# Altium PCB PCB4.PcbDoc
Units mil, origin at the board's own origin, x right, y up, seen from the top; angles counter-clockwise.
Board outline 4000 x 4000 mil, 2 copper layers (Top Layer, Bottom Layer), stack 21 mil thick; 115 components, 162 nets, 550 pads, 48 vias.
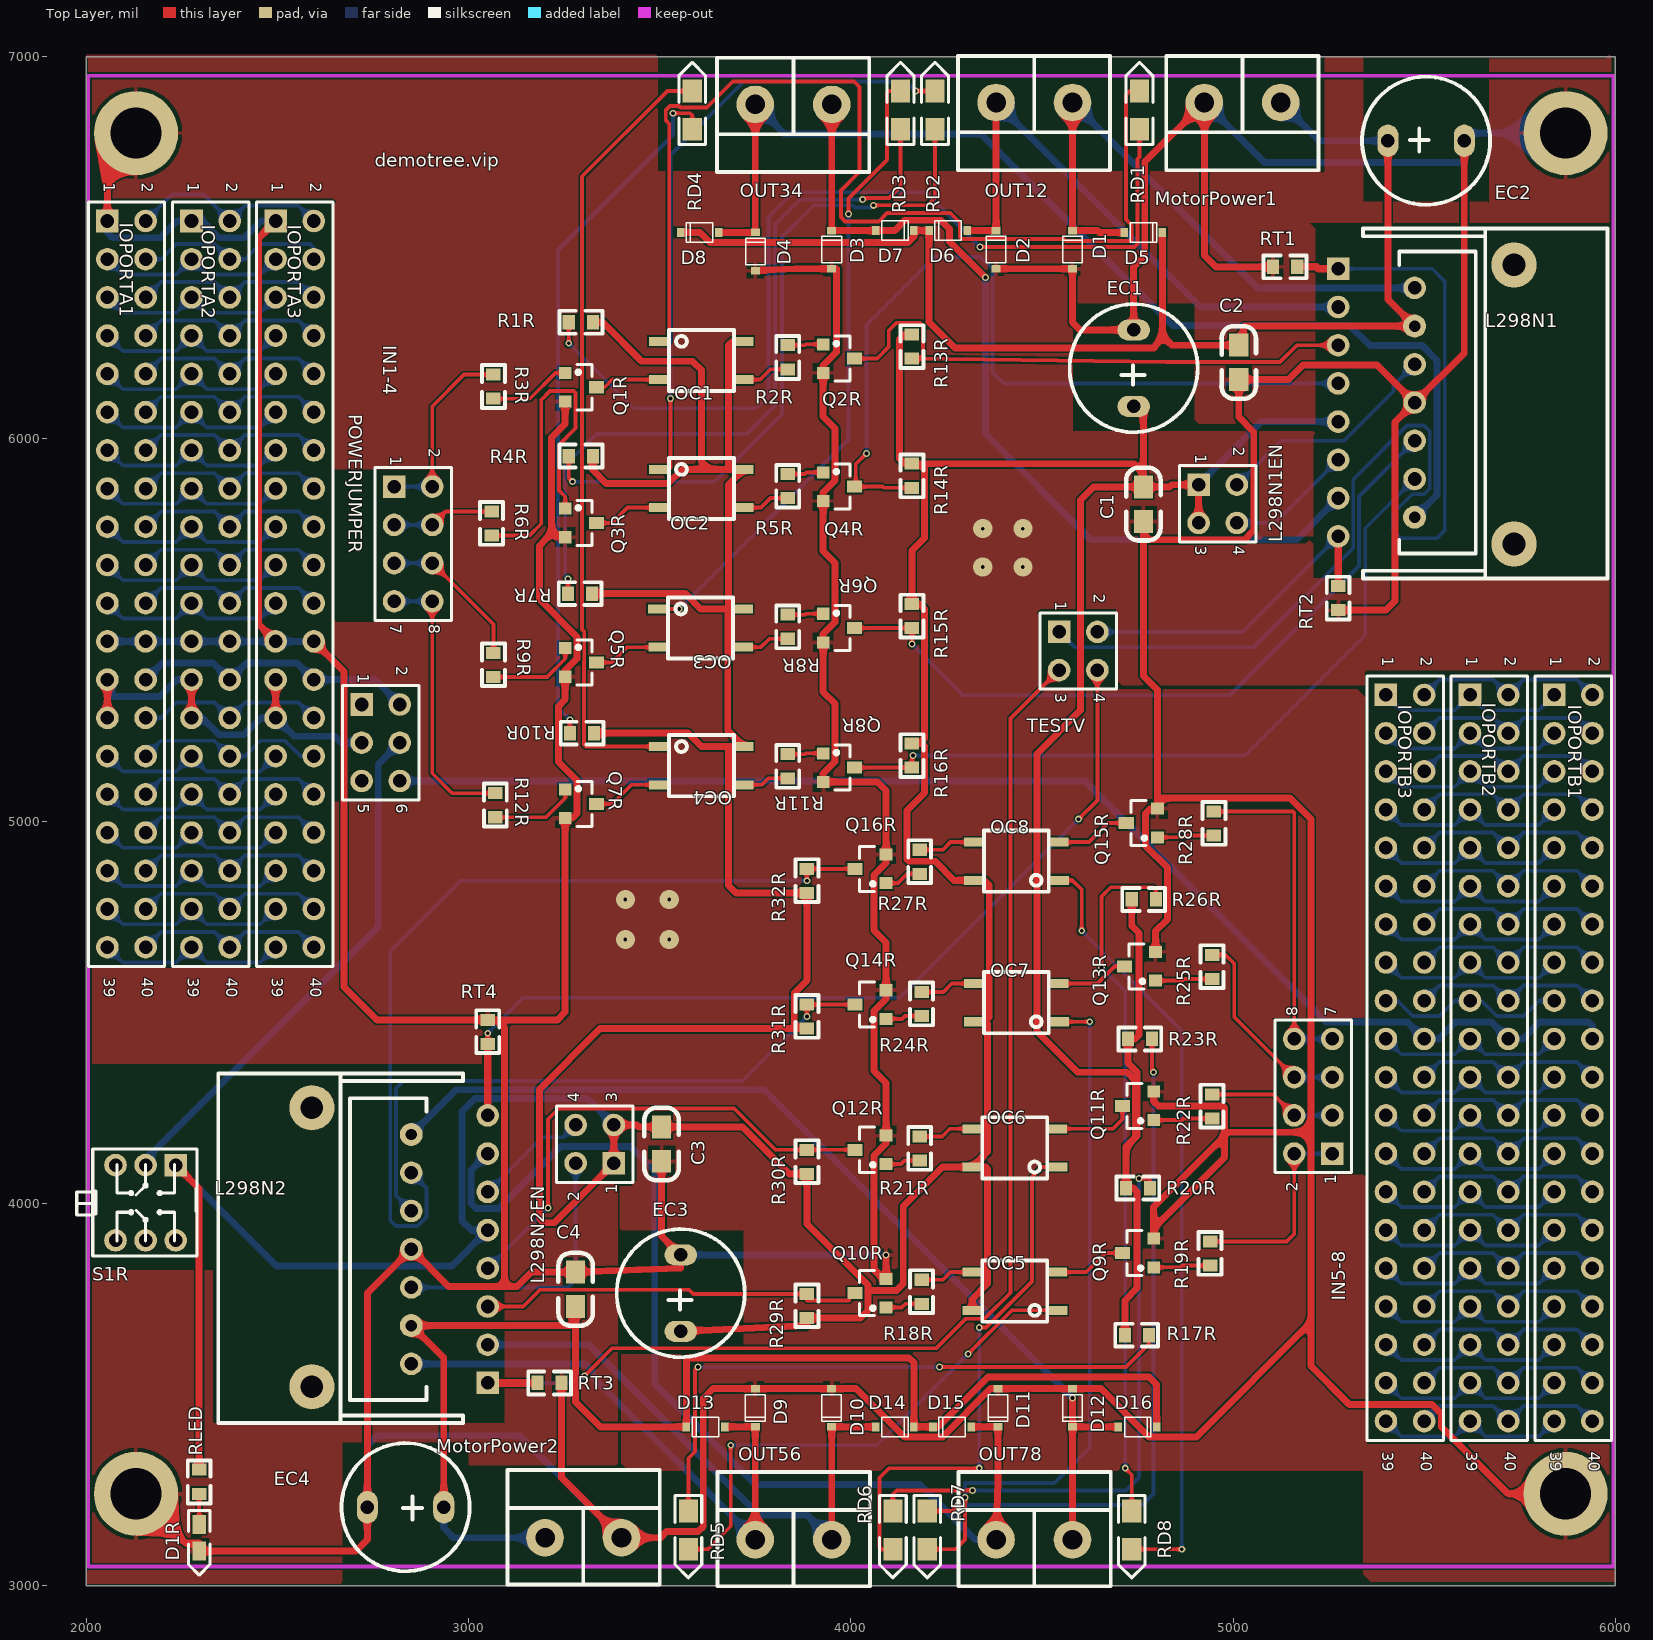
[diagram p0: Top Layer view]
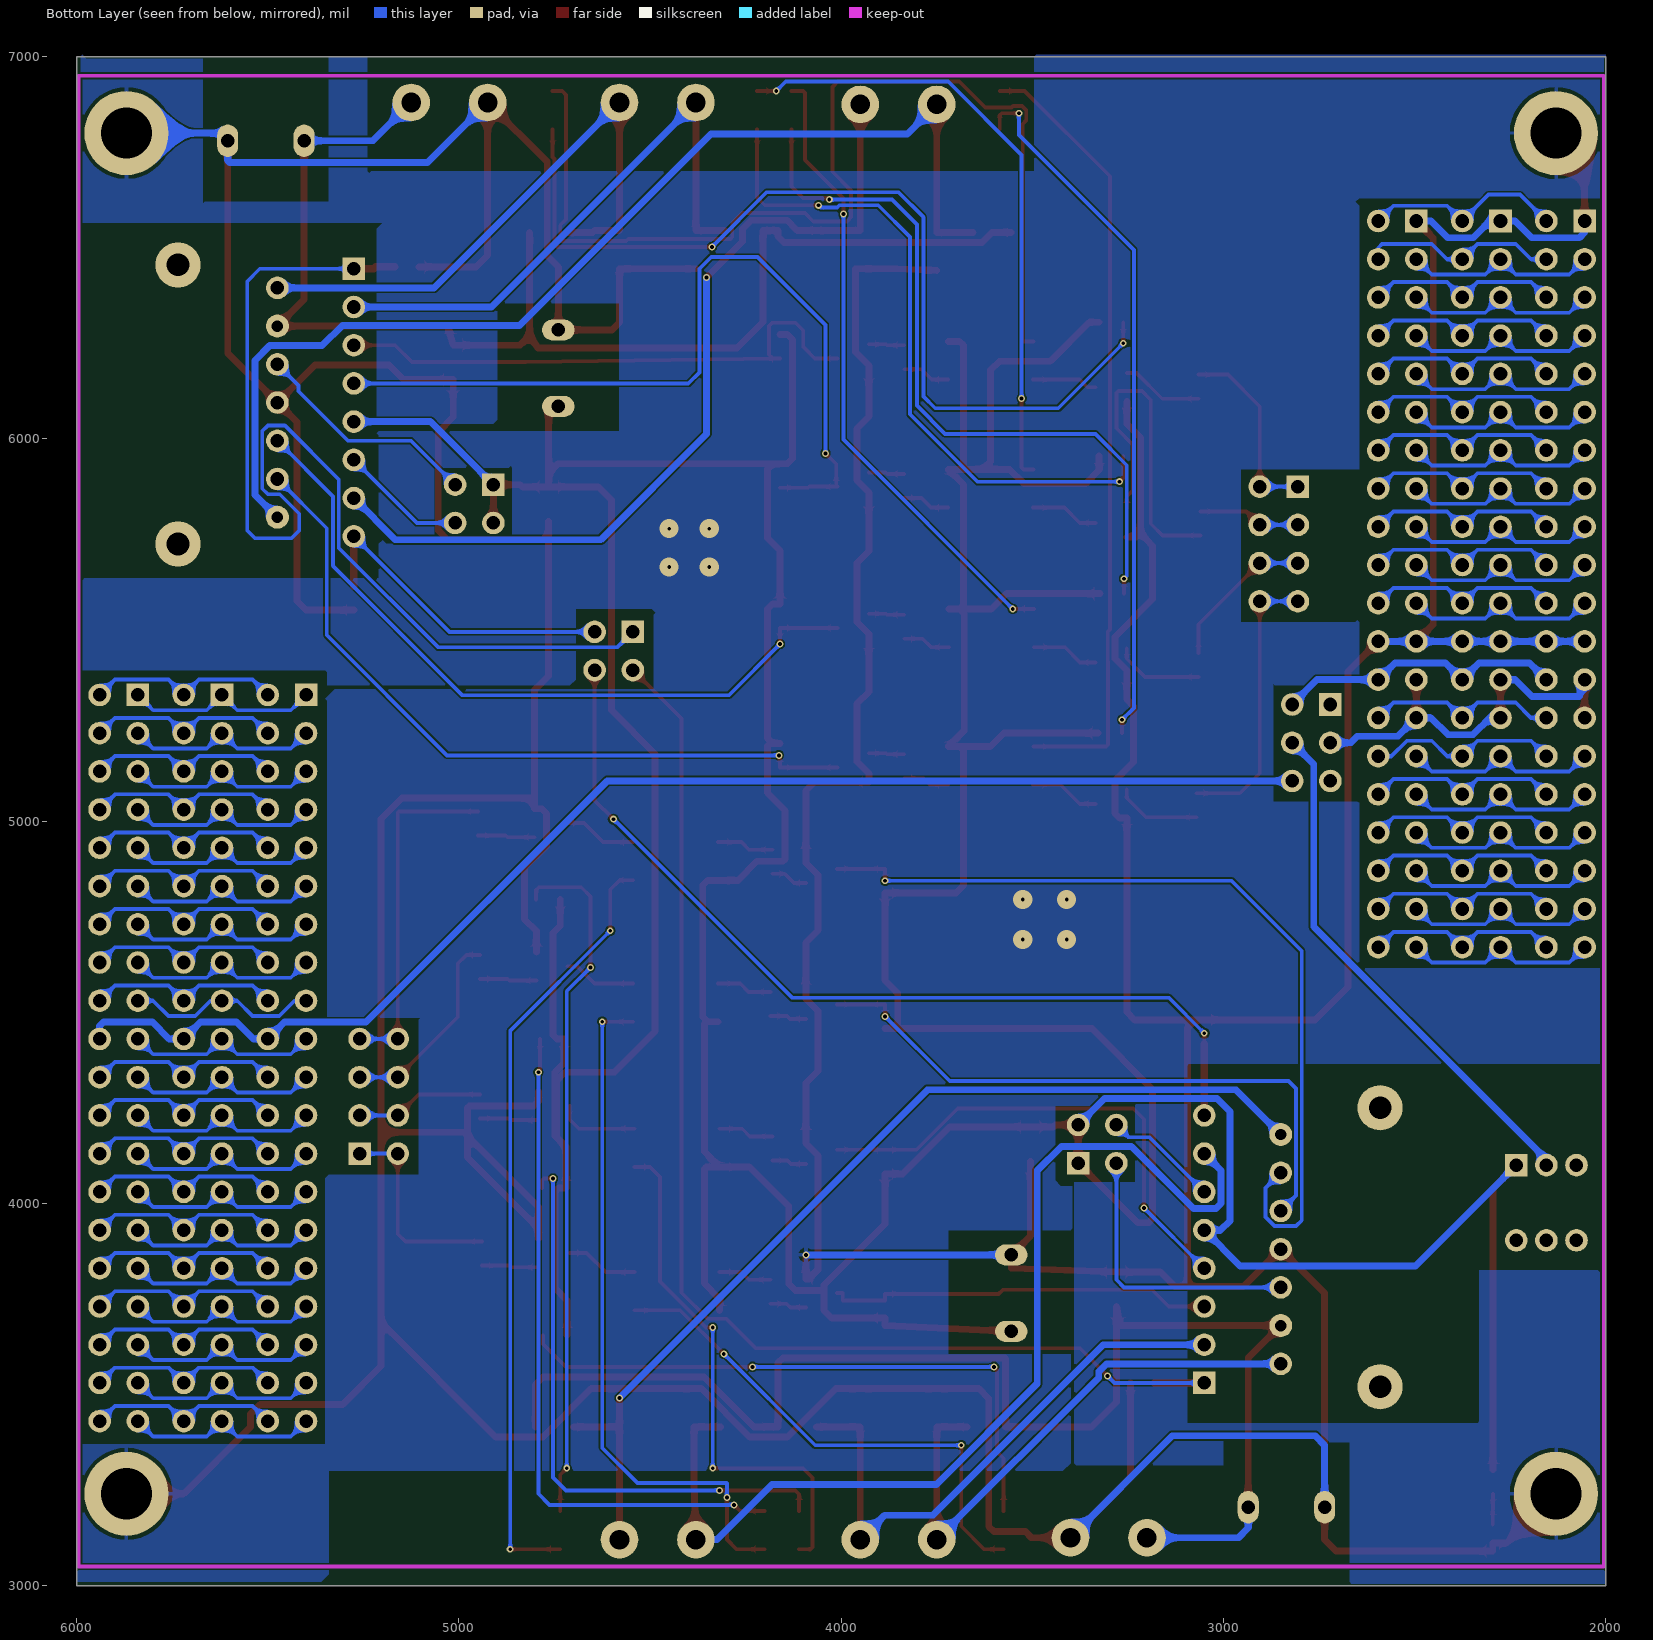
[diagram p1: Bottom Layer view, seen from below]
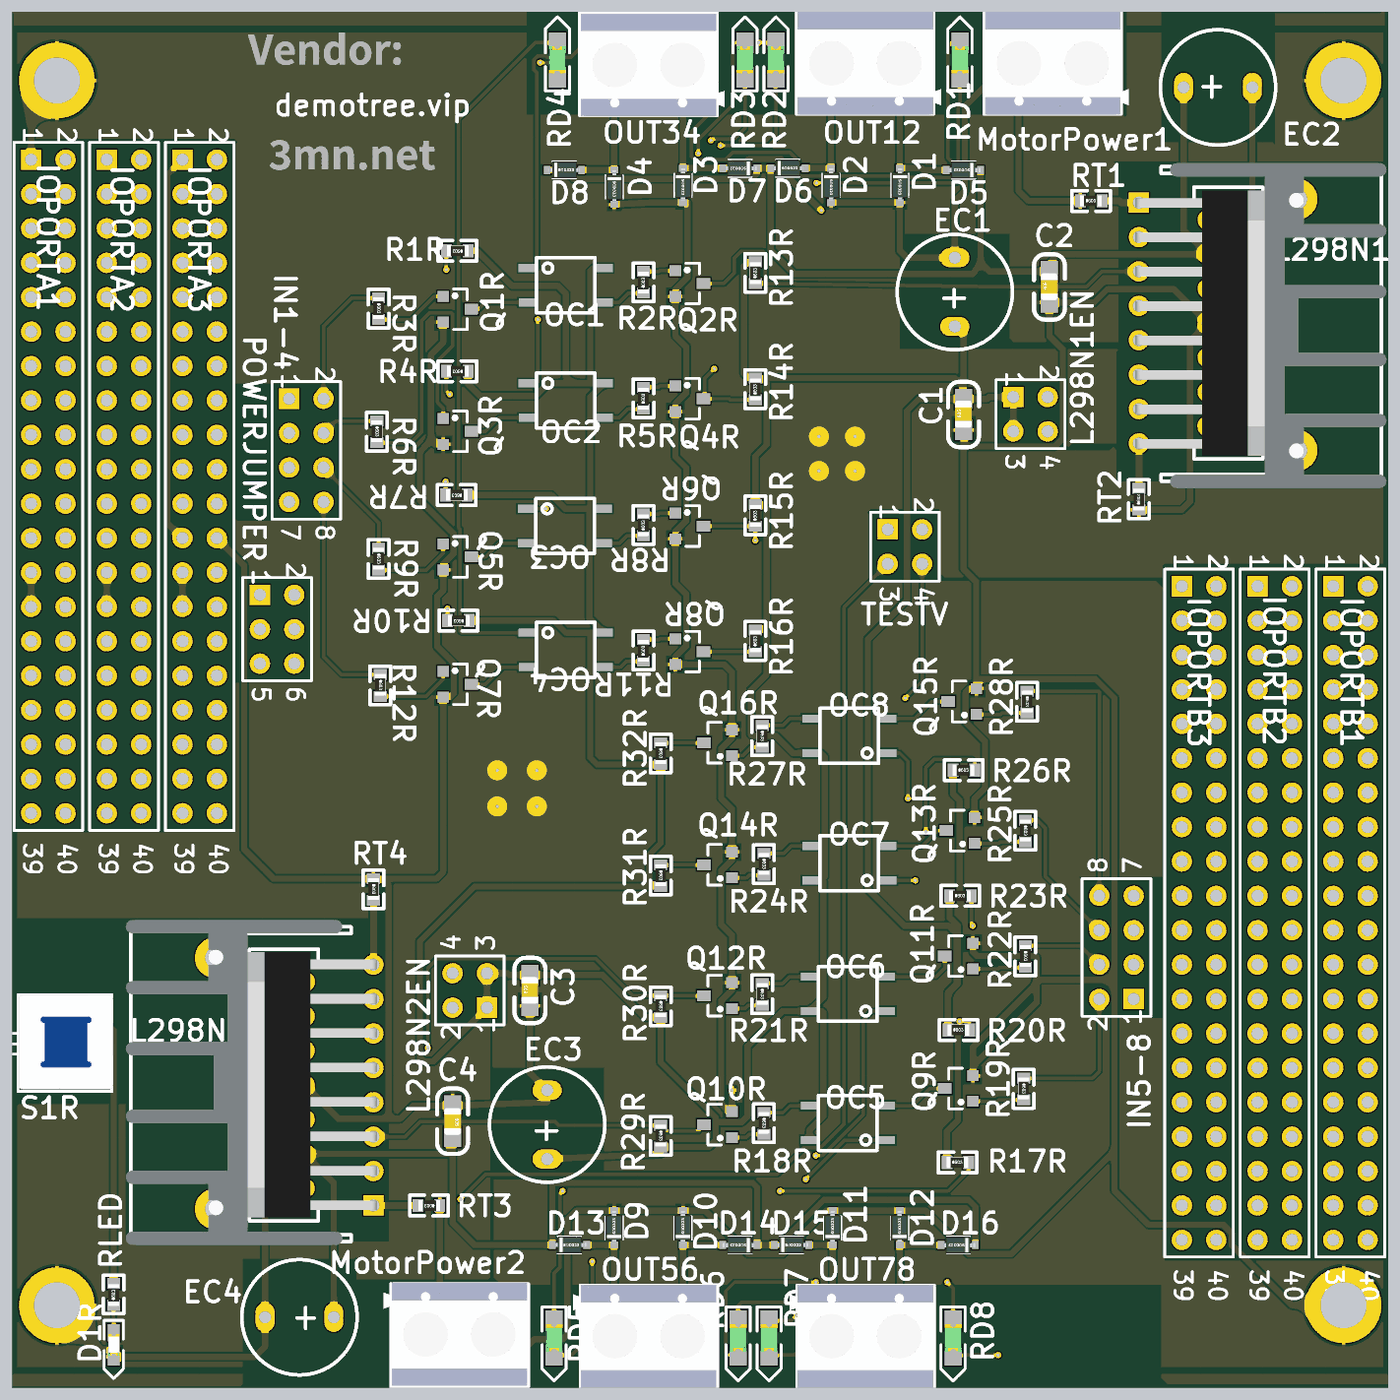
[diagram p2: 3D render of the assembled board from above, using the file's embedded part models]

## Layer stack, top to bottom
Top Solder: solder mask 0.4, Solder Resist, Dk 3.5
Top Layer: signal copper 1.4
Dielectric 2: prepreg 2.8, PP-006, Dk 4.1
Dielectric 1: dielectric 12.6, FR-4, Dk 4.8
Dielectric 3: prepreg 2.8, PP-006, Dk 4.1
Bottom Layer: signal copper 1.4
Bottom Solder: solder mask 0.4, Solder Resist, Dk 3.5

## Board outline
2000,3000 6000,3000 6000,7000 2000,7000

## Design rules (kind name [scope] priority, off if disabled: settings)
Clearance [All] p1: gap=5 ignorepadtopadclearanceinfootprint=TRUE
HoleSize [All] p1: absolutevalues=TRUE maxlimit=500 minlimit=10 maxpercent=80.000 minpercent=20.000
MinimumSolderMaskSliver [All] p1: minsoldermaskwidth=0
PolygonConnect [All] p1: connectstyle=Relief reliefconductorwidth=10 reliefentries=4 polygonreliefangle="90 Angle" airgapwidth=10
RoutingCorners [All] p1: cornerstyle=45-Degree minsetback=180 maxsetback=500
RoutingVias [All] p1: holewidth=10 width=18 viastyle="Through Hole" minholewidth=10 minwidth=18 maxholewidth=180 maxwidth=300
SMDNeckDown [All] p1: percent=100.000
ShortCircuit K1 [All] p1: allowed=FALSE
ShortCircuit [All] p2: allowed=FALSE
SilkToSilkClearance [All] p1: silktosilkclearance=0
SilkToSolderMaskClearance [IsPad] p1: minsilkscreentomaskgap=0 clearancetoexposedcopper=TRUE
SolderMaskExpansion [All] p1: expansion=4
Width CONN [(InNet('OUT1') OR InNet('OUT2') OR InNet('OUT3') OR InNet('OUT4') OR InNet('OUT5') OR InNet('OUT6') OR InNet('OUT7') OR InNet('OUT8'))] p1: maxlimit=20 minlimit=8 preferedwidth=18
Width GND [InNet('GND')] p2: maxlimit=20 minlimit=5 preferedwidth=18
Width VM [InNet('VM1') OR InNet('VM2') OR InNet('VRL')  OR InNet('VRLIN')] p3: maxlimit=20 minlimit=10 preferedwidth=18
Width VUSB_2 [InNet('VUSB_2')] p4: maxlimit=20 minlimit=8 preferedwidth=18
Width VNUC5 [InNet('VNUC5')] p5: maxlimit=20 minlimit=8 preferedwidth=18
Width +5 [InNet('+5')] p6: maxlimit=20 minlimit=8 preferedwidth=18
Width [All] p7: maxlimit=20 minlimit=5 preferedwidth=10
24 further rules are at their usual default settings.

## Components (designator, comment, footprint, x,y, rotation, side; value= is the part's Value field where it differs from the comment)
C1 "104" 0805C 4765,5785 r90 top
C2 "104" 0805C 5014.6,6155.71 r90 top
C3 "104" 0805C 3504.6,4110.71 r90 top
C4 "104" 0805C 3280.4,3819.29 r270 top
D1 "1N4148" SOD-323 4580,6445 r90 top
D1R "RED0603" LED-0603W 2295,3155 r270 top
D2 "1N4148" SOD-323 4380,6445 r90 top
D3 "1N4148" SOD-323 3950,6445 r90 top
D4 "1N4148" SOD-323 3750,6440 r90 top
D5 "1N4148" SOD-323 4715,6540 r0 top
D6 "1N4148" SOD-323 4305,6545 r180 top
D7 "1N4148" SOD-323 4065,6545 r0 top
D8 "1N4148" SOD-323 3655,6540 r180 top
D9 "1N4148" SOD-323 3750,3515 r270 top
D10 "1N4148" SOD-323 3950,3515 r270 top
D11 "1N4148" SOD-323 4385,3515 r270 top
D12 "1N4148" SOD-323 4580,3515 r270 top
D13 "1N4148" SOD-323 3670,3415 r180 top
D14 "1N4148" SOD-323 4065,3415 r0 top
D15 "1N4148" SOD-323 4315,3415 r180 top
D16 "1N4148" SOD-323 4700,3415 r0 top
EC1 "220uF 固态 35V" DIP-EC8X12 4740,6085 r90 top
EC2 "220uF 固态 35V" DIP-EC8X12 5405,6780 r0 top
EC3 "220uF 固态 35V" DIP-EC8X12 3555,3665 r90 top
EC4 "220uF 固态 35V" DIP-EC8X12 2935,3205 r180 top
IN1-4 "Header 4X2" HDR2X4 2805,5875 r270 top
IN5-8 "Header 4X2" HDR2X4 5260,4130 r90 top
IOPORTA1 "Header 20X2" HDR2X20 2055,6570 r270 top
IOPORTA2 "Header 20X2" HDR2X20 2275,6570 r270 top
IOPORTA3 "Header 20X2" HDR2X20 2495,6570 r270 top
IOPORTB1 "Header 20X2" HDR2X20 5840,5330 r270 top
IOPORTB2 "Header 20X2" HDR2X20 5620,5330 r270 top
IOPORTB3 "Header 20X2" HDR2X20 5400,5330 r270 top
L298N1 "L298N" L298N散热片 5735,5725 r180 top
L298N1EN "Header 2X2" HDR2X2 4910,5880 r270 top
L298N2 "L298N" L298N散热片 2590,4250 r0 top
L298N2EN "Header 2X2" HDR2X2 3380,4105 r90 top
MotorPower1 "MotorPower" KF301-2P 5125,6880 r180 top
MotorPower2 "MotorPower" KF301-2P 3200,3125 r0 top
OC1 "EL357N" SMD_EL357N 3496.99,6255 r0 top
OC2 "EL357N" SMD_EL357N 3496.99,5920 r0 top
OC3 "EL357N" SMD_EL357N 3494.99,5555 r0 top
OC4 "EL357N" SMD_EL357N 3496.99,5195 r0 top
OC5 "EL357N" SMD_EL357N 4541.01,3720 r180 top
OC6 "EL357N" SMD_EL357N 4541.01,4095 r180 top
OC7 "EL357N" SMD_EL357N 4545.01,4475 r180 top
OC8 "EL357N" SMD_EL357N 4545.01,4845 r180 top
OUT12 "OUT12" KF301-2P 4580,6880 r180 top
OUT34 "OUT34" KF301-2P 3950,6875 r180 top
OUT56 "OUT56" KF301-2P 3750,3120 r0 top
OUT78 "OUT78" KF301-2P 4380,3120 r0 top
POWERJUMPER "Header 3X2" HDR2X3 2720,5305 r270 top
Q1R "S8050" SOT23 3295,6135 r0 top
Q2R "S8050" SOT23 3970,6210 r0 top
Q3R "S8050" SOT23 3295,5780 r0 top
Q4R "S8050" SOT23 3970,5875 r0 top
Q5R "S8050" SOT23 3295,5415 r0 top
Q6R "S8050" SOT23 3970,5505 r0 top
Q7R "S8050" SOT23 3295,5045 r0 top
Q8R "S8050" SOT23 3970,5140 r0 top
Q9R "S8050" SOT23 4750,3870 r180 top
Q10R "S8050" SOT23 4050,3765 r180 top
Q11R "S8050" SOT23 4750,4255 r180 top
Q12R "S8050" SOT23 4050,4140 r180 top
Q13R "S8050" SOT23 4755,4620 r180 top
Q14R "S8050" SOT23 4050,4520 r180 top
Q15R "S8050" SOT23 4760,4995 r180 top
Q16R "S8050" SOT23 4050,4875 r180 top
R1R "100R" 0603R 3325,6305 r180 top
R2R "1k" 0603R 3835,6182.01 r90 top
R3R "1k" 0603R 3065,6167.99 r270 top
R4R "100R" 0603R 3325,5955 r180 top
R5R "1k" 0603R 3835,5845 r90 top
R6R "1k" 0603R 3060,5810 r270 top
R7R "100R" 0603R 3322.99,5595 r180 top
R8R "1k" 0603R 3835,5477.01 r90 top
R9R "1k" 0603R 3065,5440 r270 top
R10R "100R" 0603R 3327.99,5230 r180 top
R11R "1k" 0603R 3835,5112.01 r90 top
R12R "1k" 0603R 3070,5072.99 r270 top
R13R "1k" 0603R 4160,6210 r90 top
R14R "1k" 0603R 4160,5872.01 r90 top
R15R "1k" 0603R 4160,5505 r90 top
R16R "1k" 0603R 4160,5140 r90 top
R17R "100R" 0603R 4717.01,3655 r0 top
R18R "1k" 0603R 4185,3800 r270 top
R19R "1k" 0603R 4940,3900 r270 top
R20R "100R" 0603R 4720,4040 r0 top
R21R "1k" 0603R 4180,4175 r270 top
R22R "1k" 0603R 4945,4285 r270 top
R23R "100R" 0603R 4725,4430 r0 top
R24R "1k" 0603R 4185,4552.99 r270 top
R25R "1k" 0603R 4945,4650 r270 top
R26R "100R" 0603R 4735,4795 r0 top
R27R "1k" 0603R 4180,4925 r270 top
R28R "1k" 0603R 4950,5025 r270 top
R29R "1k" 0603R 3885,3762.99 r270 top
R30R "1k" 0603R 3885,4140 r270 top
R31R "1k" 0603R 3885,4520 r270 top
R32R "1k" 0603R 3885,4875 r270 top
RD1 "GREEN0805" LED-0805G 4755,6810 r90 top
RD2 "GREEN0805" LED-0805G 4220,6810 r90 top
RD3 "GREEN0805" LED-0805G 4130,6810 r90 top
RD4 "GREEN0805" LED-0805G 3585,6810 r90 top
RD5 "GREEN0805" LED-0805G 3575,3195 r270 top
RD6 "GREEN0805" LED-0805G 4110,3195 r270 top
RD7 "GREEN0805" LED-0805G 4200,3195 r270 top
RD8 "GREEN0805" LED-0805G 4735,3195 r270 top
RLED "4.7k" 0603R 2295,3240 r90 top
RT1 "0R" 0603R 5105,6450 r0 top
RT2 "0R" 0603R 5275,5552.01 r90 top
RT3 "0R" 0603R 3242.99,3530 r180 top
RT4 "0R" 0603R 3050,4480 r270 top
S1R "POWERSW" "KFT DIP-7X7" 2233.74,4100 r270 top
TESTV "Header 2X2" HDR2X2 4545,5495 r270 top

## Footprints (in the part's own frame and the unit in brackets; to place one, negate y for a bottom-side part, rotate by r counter-clockwise, add the part's x,y. Pads: shape width x height; smd on the part's side, far side on the other; paste and mask are expansions set on the pad)
0603R [mm]
  rect 0.8x0.965 smd: 1(0,0) 2(1.6,0)
  silkscreen extent -0.64,-0.76 2.21,0.76, body extent -0.04,-0.41 1.56,0.41, height 0.45
0805C [mil]
  rect 60x50 smd: 1(-0.71,-0.4) 2(89.29,-0.4)
  silkscreen extent -51,-45 139,45, body extent 6,-25 84,25, height 31
DIP-EC8X12 [mil]
  oval 55x85 hole 35.43: 1(0,0) 2(200,0)
  silkscreen extent -68,-168 268,167, body extent -61,-161 261,161, height 567
HDR2X2 [mm] "Connector; Header; 2x2 Position"
  rect 1.5x1.5 hole 0.9: 1(0,0)
  round 1.5 hole 0.9: 2(0,2.54) 3(2.54,0) 4(2.54,2.54)
  silkscreen extent -1.27,-1.27 3.81,3.81
HDR2X3 [mm] "Connector; Header; 3x2 Position"
  rect 1.5x1.5 hole 0.9: 1(0,0)
  round 1.5 hole 0.9: 2(0,2.54) 3(2.54,0) 4(2.54,2.54) 5(5.08,0) 6(5.08,2.54)
  silkscreen extent -1.27,-1.27 6.35,3.81
HDR2X4 [mm] "Connector; Header; 4x2 Position"
  rect 1.5x1.5 hole 0.9: 1(0,0)
  round 1.5 hole 0.9: 2(0,2.54) 3(2.54,0) 4(2.54,2.54) 5(5.08,0) 6(5.08,2.54) 7(7.62,0) 8(7.62,2.54)
  silkscreen extent -1.27,-1.27 8.89,3.81
HDR2X20 [mm] "Connector; Header; 20x2 Position"
  rect 1.5x1.5 hole 0.9: 1(0,0)
  round 1.5 hole 0.9: 2(0,2.54) 3(2.54,0) 4(2.54,2.54) 5(5.08,0) 6(5.08,2.54) 7(7.62,0) 8(7.62,2.54) 9(10.16,0) 10(10.16,2.54) 11(12.7,0) 12(12.7,2.54) 13(15.24,0) 14(15.24,2.54) 15(17.78,0) 16(17.78,2.54) 17(20.32,0) 18(20.32,2.54) 19(22.86,0) 20(22.86,2.54) 21(25.4,0) 22(25.4,2.54) 23(27.94,0) 24(27.94,2.54) 25(30.48,0) 26(30.48,2.54) 27(33.02,0) 28(33.02,2.54) 29(35.56,0) 30(35.56,2.54) 31(38.1,0) 32(38.1,2.54) 33(40.64,0) 34(40.64,2.54) 35(43.18,0) 36(43.18,2.54) 37(45.72,0) 38(45.72,2.54) 39(48.26,0) 40(48.26,2.54)
  silkscreen extent -1.27,-1.27 49.53,3.81
KF301-2P [mm] "间距5.08mm"
  round 2.5 hole 1.3: 1(0,0) 2(5.08,0)
  silkscreen extent -2.5,-3.1 7.62,4.5, body extent -3.06,-3.04 7.54,4.56, height 10
"KFT DIP-7X7" [mm]
  rect 1.5x1.5 hole 0.9: 1(0,0)
  round 1.5 hole 0.9: 2(0,-2) 3(0,-4) 4(5,-4) 5(5,-2) 6(5,0)
  silkscreen extent -1.08,-6.58 6.06,1.42, body extent -1.09,-5.46 5.91,1.54, height 11.2
L298N散热片 [mm]
  round 3 hole 1.5: 0(0,0) 0(0,-18.542)
  rect 1.5x1.5 hole 0.9: 1(11.684,-18.288)
  round 1.5 hole 0.9: 2(6.604,-17.018) 3(11.684,-15.748) 5(11.684,-13.208) 6(6.604,-11.938) 7(11.684,-10.668) 8(6.604,-9.398) 9(11.684,-8.128) 10(6.604,-6.858) 11(11.684,-5.588) 12(6.604,-4.318) 13(11.684,-3.048) 15(11.684,-0.508)
  round 1.524 hole 0.762: 4(6.604,-14.478) 14(6.604,-1.778)
  silkscreen extent -6.22,-20.95 10.03,2.29, body extent -6.6,-21.21 11.92,2.79, height 25
LED-0603W [mil]
  rect 50x35 smd: A(-5,0.26) K(65,0.26)
  silkscreen extent -41,-28 128,28, body extent -1,-15 61,17, height 24
LED-0805G [mil]
  rect 60x50 smd: A(0,0) K(100,0)
  silkscreen extent -40,-35 175,35, body extent 11,-24 89,25, height 32
SMD_EL357N [mm]
  rect 1.3x0.6 smd mask+0: 1(0,0) 2(0.026,-2.54) 3(5.664,-2.54) 4(5.664,0)
  silkscreen extent 0.69,-3.3 5,0.76
SOD-323 [mm] "塑封二极管"
  rect 0.5x0.6 smd: A(0,0) K(2.54,0)
  silkscreen extent 0.41,-0.65 2.16,0.65, body extent 0.02,-0.64 2.52,0.62, height 0.9
SOT23 [mm] "SOT23, 3-Leads, Body 2.9x1.3mm, Pitch 0.95mm, Lead Span 2.3mm - Reverse Pinning, IPC High Density"
  rect 0.85x0.8 smd: 1(-1.075,0.95) 2(-1.075,-0.95)
  rect 1x0.8 smd: 3(1,0)
  silkscreen extent -0.32,-1.5 0.7,1.5, body extent -0.7,-1.5 0.7,1.5, height 1.1

## Part data
C1 C2 C3 C4: library part CAP, "无极性电容"
D1 D2 D3 D4 D5 D6 D7 D8 D9 D10 D11 D12 D13 D14 D15 D16: library part "DIODE SCHOTTKY", "肖特基二极管"
D1R RD1 RD2 RD3 RD4 RD5 RD6 RD7 RD8: library part LED
EC1 EC2 EC3 EC4: library part DIP_ECAP, "直插电解电容"
IN1-4 IN5-8: "Header, 4-Pin, Dual row", LatestRevisionDate=17-Jul-2002, LatestRevisionNote="Re-released for DXP Platform.", Publisher="Altium Limited"
IOPORTA1 IOPORTA2 IOPORTA3 IOPORTB1 IOPORTB2 IOPORTB3: "Header, 20-Pin, Dual row", LatestRevisionDate=17-Jul-2002, LatestRevisionNote="Re-released for DXP Platform.", Publisher="Altium Limited"
L298N1 L298N2: "MOTO DEVICE"
L298N1EN L298N2EN TESTV: "Header, 2-Pin, Dual row", LatestRevisionDate=17-Jul-2002, LatestRevisionNote="Re-released for DXP Platform.", Publisher="Altium Limited"
MotorPower1 MotorPower2 OUT12 OUT34 OUT56 OUT78: library part Connector-2P
OC1 OC2 OC3 OC4 OC5 OC6 OC7 OC8: "线性光耦"
POWERJUMPER: "Header, 3-Pin, Dual row", LatestRevisionDate=17-Jul-2002, LatestRevisionNote="Re-released for DXP Platform.", Publisher="Altium Limited"
Q1R Q2R Q3R Q4R Q5R Q6R Q7R Q8R Q9R Q10R Q11R Q12R Q13R Q14R Q15R Q16R: library part S9014
R1R R2R R3R R4R R5R R6R R7R R8R R9R R10R R11R R12R R13R R14R R15R R16R R17R R18R R19R R20R R21R R22R R23R R24R R25R R26R R27R R28R R29R R30R R31R R32R RLED RT1 RT2 RT3 RT4: library part RES
S1R: library part "KFT DIP-7X7"

## Free pads (board coordinates)
  round 220 hole 134: 2(5870,3240) 3(2130,3240) 4(2130,6800) 5(5870,6800)

## Via types
v1: diameter 18, hole 10, Top Layer to Bottom Layer, 40 vias
v2: diameter 50, hole 10, Top Layer to Bottom Layer, 8 vias

## Nets (pads, with @x,y where several pads share a name; then routed paths per layer and width w, separated by ;. In a path a pad name is that pad's centre, name@x,y a point inside that pad or via, vN(x,y) a via of type N, cw(c..) or ccw(c..) an arc to the next point about the centre after c; other vN are vias at no path point)
+5: IOPORTA1.25 IOPORTA1.27 IOPORTA2.25 IOPORTA2.27 IOPORTA3.25 IOPORTA3.27 POWERJUMPER.3 | length 1078.8
  Top Layer w18: IOPORTA1.27 IOPORTA1.25 ; IOPORTA2.27 IOPORTA2.25 ; IOPORTA3.27 IOPORTA3.25
  Bottom Layer w18: IOPORTA1.25 2069,5326 2193,5326 2237,5370 IOPORTA2.25 ; IOPORTA2.27 2303,5270 2347,5226 2413,5226 2457,5270 IOPORTA3.27 2543,5222 2649,5222 2666,5205 POWERJUMPER.3
BOOT1: IOPORTB1.32 IOPORTB2.32 IOPORTB3.32 | length 506.3
  Bottom Layer w10: IOPORTB3.32 5540,3870 5680,3870 IOPORTB2.32 5760,3870 5900,3870 IOPORTB1.32
ENA1: L298N1.6 L298N1EN.2 | length 604.3
  Bottom Layer w10: L298N1EN.2 5125,5995 5290,5995 5419.54,6124.54 5419.54,6139.54 L298N1.6
ENA2: L298N2.6 L298N2EN.2 | length 743.3
  Bottom Layer w10: L298N2.6 3260,3780 3280,3800 L298N2EN.2
ENB1: L298N1.11 L298N1EN.4 | length 333.3
  Bottom Layer w10: L298N1EN.4 5110,5780 L298N1.11
ENB2: L298N2.11 L298N2EN.4 | length 302.5
  Bottom Layer w10: L298N2.11 3193,4173 3248,4173 L298N2EN.4
EXTI2C_SCL: IOPORTB1.22 IOPORTB2.22 IOPORTB3.22 | length 506.3
  Bottom Layer w10: IOPORTB3.22 5540,4370 5680,4370 IOPORTB2.22 5760,4370 5900,4370 IOPORTB1.22
EXTI2C_SDA: IOPORTB1.21 IOPORTB2.21 IOPORTB3.21 | length 506.3
  Bottom Layer w10: IOPORTB3.21 5440,4290 5580,4290 IOPORTB2.21 5660,4290 5800,4290 IOPORTB1.21
GND: C1.1 C2.1 C3.1 C4.1 D1.A D1R.K D2.A D3.A D4.A D9.A D10.A D11.A D12.A EC1.2 EC2.2 EC3.2 EC4.2 IOPORTA1.1 IOPORTA1.23 IOPORTA1.24 IOPORTA2.1 IOPORTA2.23 IOPORTA2.24 IOPORTA3.1 IOPORTA3.23 IOPORTA3.24 L298N1.8 L298N2.8 MotorPower1.2 MotorPower2.2 pad.2 pad.3 pad.4 pad.5 Q1R.2 Q2R.2 Q3R.2 Q4R.2 Q5R.2 Q6R.2 Q7R.2 Q8R.2 Q9R.2 Q10R.2 Q11R.2 Q12R.2 Q13R.2 Q14R.2 Q15R.2 Q16R.2 RT1.1 RT2.1 RT3.1 RT4.1 | length 27460.7
  Top Layer w18: IOPORTA1.1 2055,6800 pad.4 ; pad.3 2259,3111 2295.26,3111 D1R.K 2705,3090 2735,3120 EC4.2 2735,3765 L298N2.8 2948,3782 3094,3782 ; IOPORTA3.23 2451,5514 2451,6526 IOPORTA3.1 ; IOPORTA3.24 2674,5391 2674,4566 2760,4480 RT4.1 3074,4480 ; RT3.1 3242.99,3282.01 MotorPower2.2 3502,3125 3518,3141 3600,3141 3614,3155 3614,3489 3640,3515 D9.A D10.A 4014,3515 4140,3389 4240,3389 4366,3515 D11.A D12.A 4654,3515 4780,3389 4904,3389 5204,3689 ; Q1R.2 3252.68,6038.41 3217.26,6003 3217.26,5753.74 ; C3.1 3505,3915 EC3.2 3555,3830 C4.1 3165,3820 3127,3782 3094,3782 ; D4.A 3855,6445 D3.A 3963,6445 3963,6227 3927.68,6191.68 Q2R.2 3927.68,6058 3959,6026.68 3959,5891 3927.68,5859.68 Q4R.2 3927.68,5706.32 3959,5675 3959,5520.32 3927.68,5489 Q6R.2 3927.68,5338.32 3959,5307 3959,5155.32 3927.68,5124 Q8R.2 4069.72,5102.6 4092.32,5080 Q16R.2 4092.32,4890 4061,4858.68 4061,4714 4092.32,4682.68 Q14R.2 4092.32,4535 4061,4503.68 4061,4346 4092.32,4314.68 Q12R.2 4092.32,4156.32 4061,4125 4061,3825.99 4084.59,3802.4 Q10R.2 v1(4092.32,3865) ; D2.A D1.A 4580,6305 4600,6285 EC1.2 4740,6449.07 4768.84,6477.91 4768.84,6723.84 MotorPower1.2 4925,6480 4955,6450 RT1.1 ; C1.1 4765.4,5750 ; Q9R.2 4792.32,3934.32 ; Q11R.2 4792.32,4267 4804.32,4255 4973,4255 4978,4250 4978,4175.68 ; Q13R.2 4797.32,4712 4828,4742.68 4828,4878 4771,4935 4771,5020 4783.4,5032.4 Q15R.2 ; RT2.1 5400,5552.01 5424,5576.01 5424,6044 L298N1.8 ; EC2.2 5605,6225 L298N1.8 ; pad.2 5720,3240 5545,3415 5545,3449 5520,3474 5304,3474 5204,3574 5204,3689 ; 3074,4480 3232.68,4480 3252.68,4500 Q7R.2 3271.6,5007.6 3284,5020 3284,5106 3235,5155 3235,5300.32 3252.68,5318 Q5R.2 3252.68,5394 3283.41,5424.73 3283.41,5482 3185,5580.41 3185,5720 3217.26,5753.74 ; 3074,4480 3094,4460 3094,3782 ; 3217.26,5753.74 Q3R.2 3228.4,5742.6 3217.26,5753.74 ; 4765.4,5750 4765.4,5379.6 4802.32,5342.68 4802.32,5050 ; 4765.4,5750 4779.4,5736 5030,5736 5054,5760 5054,6018 5015,6057 C2.1 5145,6155 5183,6193 5377,6193 L298N1.8 ; 4792.32,3934.32 4792.32,3990 4978,4175.68 ; 4792.32,3934.32 4978,4120 4978,4175.68 ; Q15R.2 4812.32,5060 ; Q15R.2 4802.32,5050 ; 4802.32,5050 4812.32,5060 ; 4812.32,5060 5149,5060 5204,5005 5204,4210 ; 4978,4175.68 4988.32,4186 5180,4186 ; 5180,4186 5204,4210 ; 5180,4186 5204,4162 ; 5204,3689 5204,4162 ; 5204,4162 5204,4210